# Altium PCB QTouch_test2.PcbDoc
Units mm, origin at the board's own origin, x right, y up, seen from the top; angles counter-clockwise.
Board outline 89.98 x 164.95 mm, 2 copper layers (Top Layer, Bottom Layer), stack 1.635 mm thick; 115 components, 116 nets, 363 pads, 157 vias.
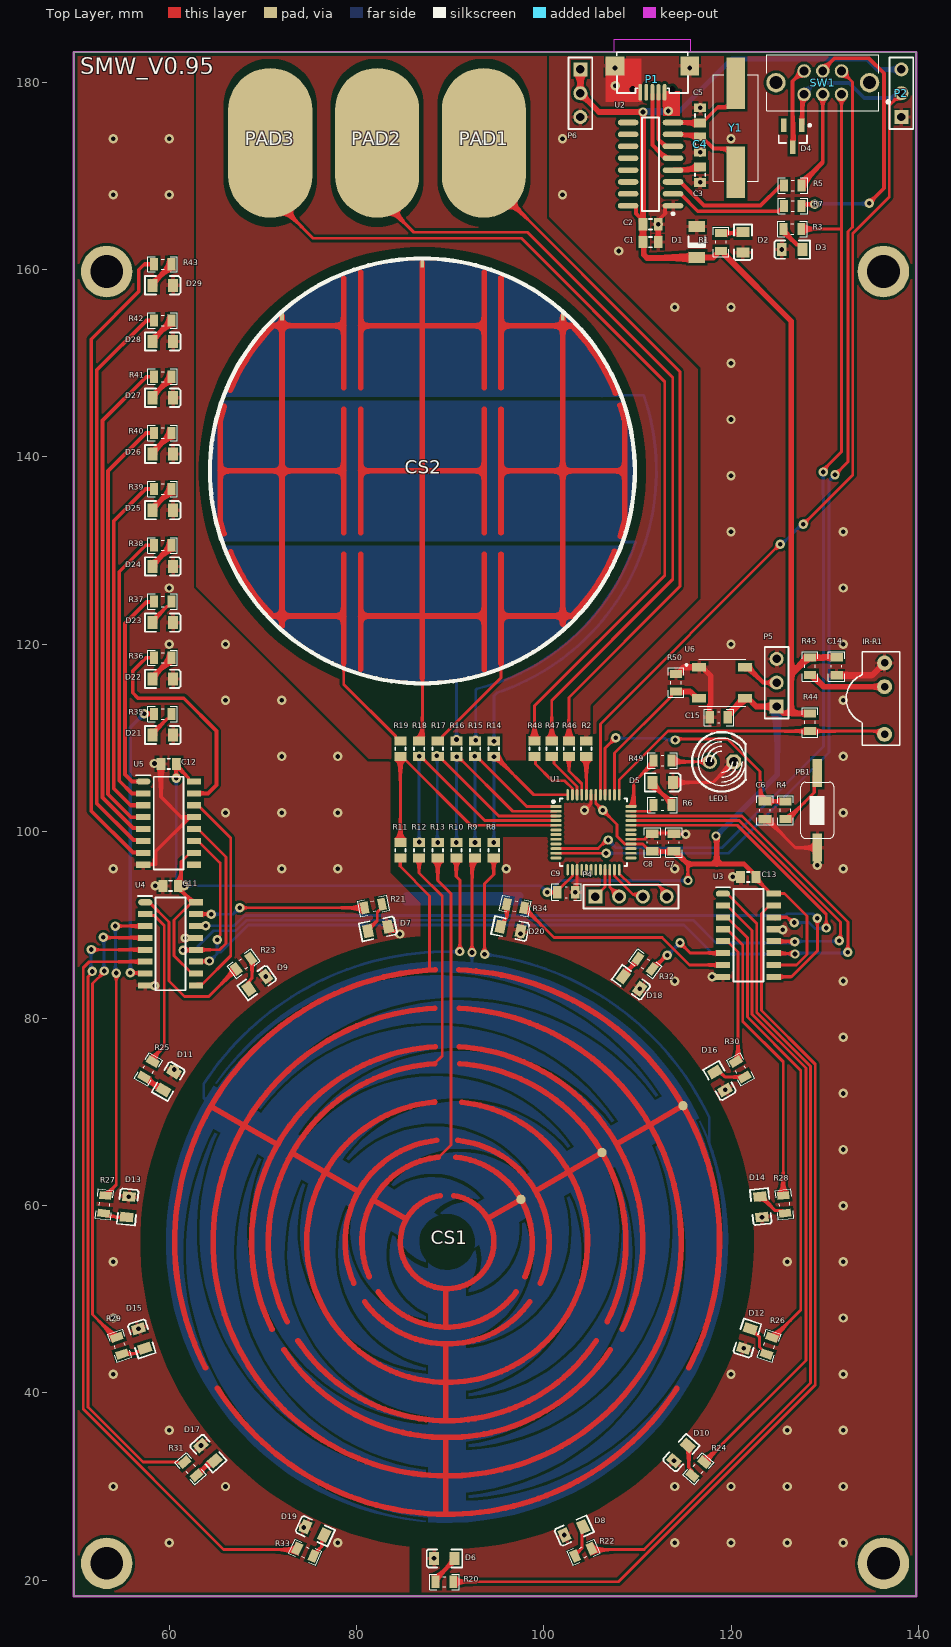
[diagram p0: Top Layer view]
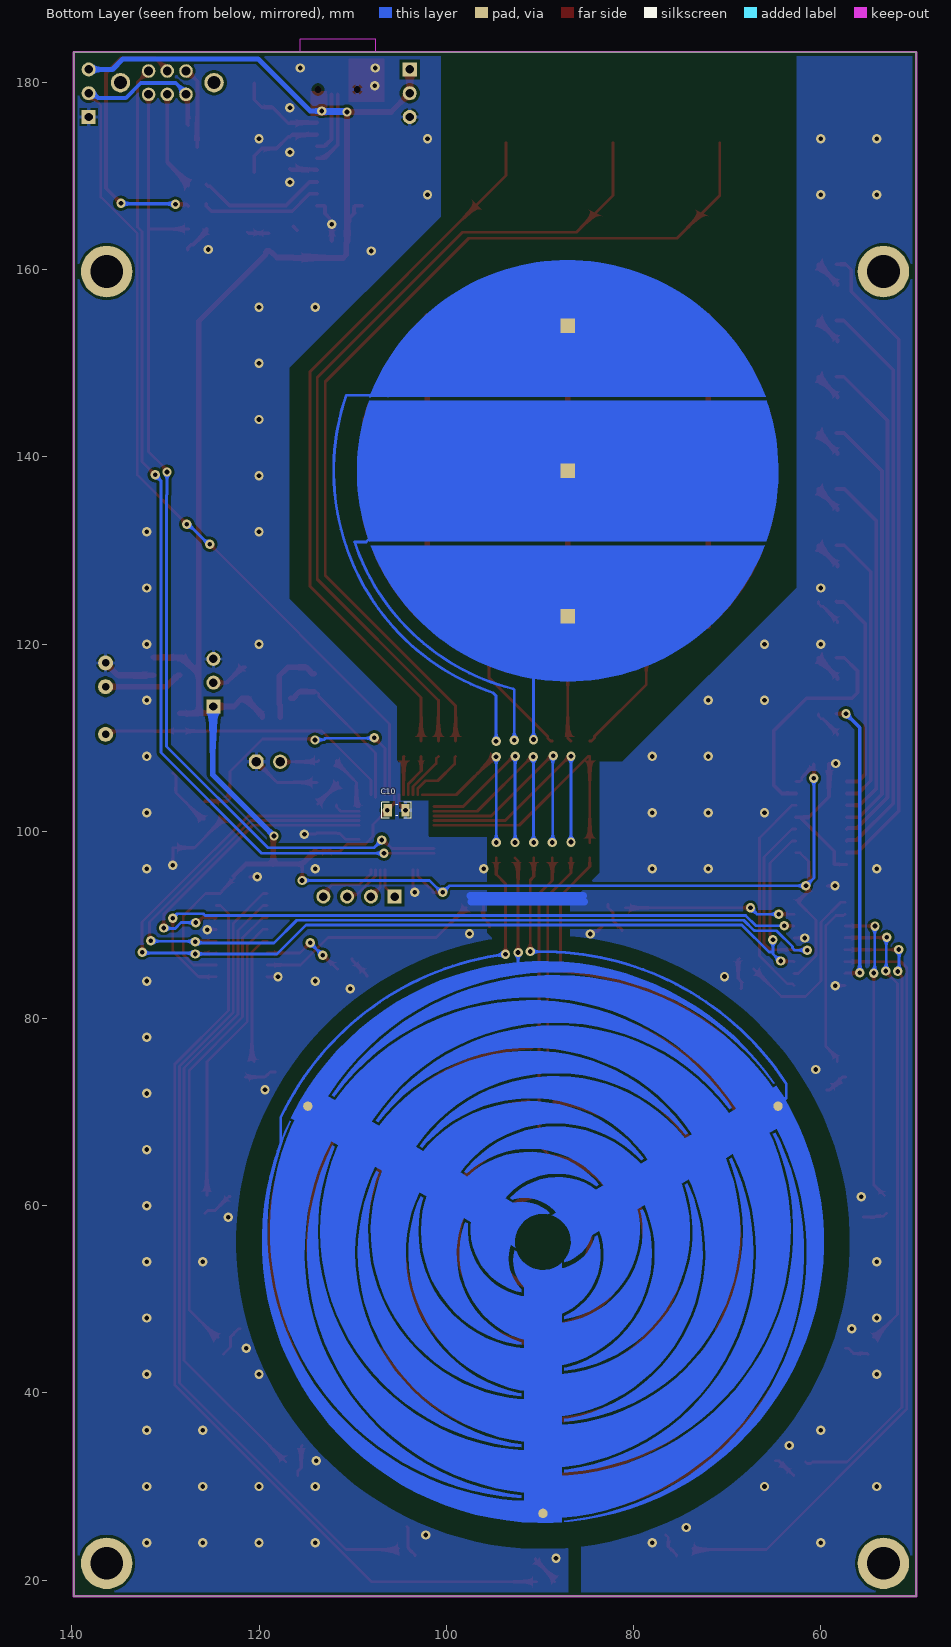
[diagram p1: Bottom Layer view, seen from below]
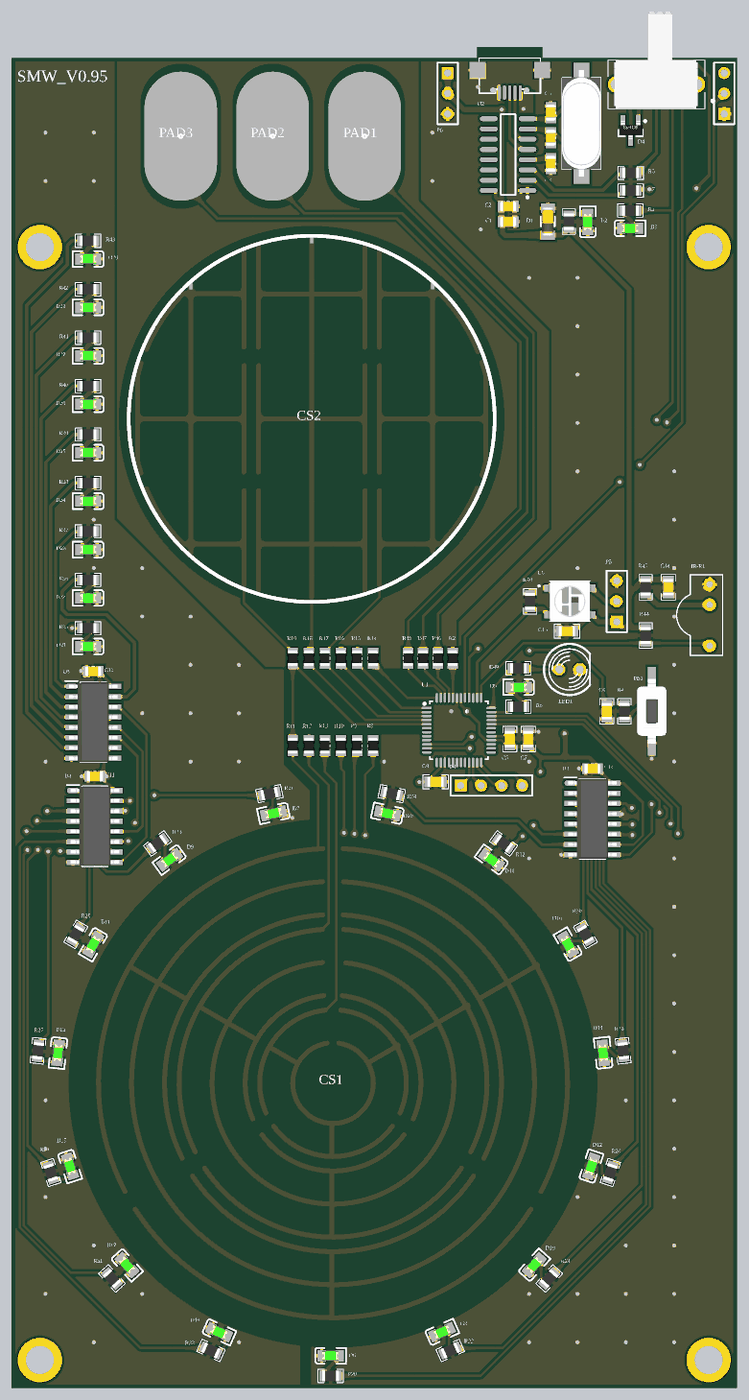
[diagram p2: 3D render of the assembled board from above, using the file's embedded part models]

## Layer stack, top to bottom
Top Solder: solder mask 0.0102, Solder Resist, Dk 3.5
Top Layer: signal copper 0.0175
Dielectric 1: dielectric 1.6, FR-4, Dk 4.8
Bottom Layer: signal copper 0.0175
Bottom Solder: solder mask 0.0102, Solder Resist, Dk 3.5

## Board outline
49.8,18.3 49.8,183.25 139.775,183.25 139.775,18.3

## Design rules (kind name [scope] priority, off if disabled: settings)
Clearance Clearance_1 [InNet('+5') vs (InComponent('p1') AND InNet('USB_D-'))] p1: gap=0.2 ignorepadtopadclearanceinfootprint=FALSE except(0: Arc-Hole Track-Hole SMDPad-Hole THPad-Hole Via-Hole Fill-Hole Poly-Hole Region-Hole Text-Hole)
Clearance clearance_touch [InNetClass('touch_pads')] p2: gap=0.4 ignorepadtopadclearanceinfootprint=FALSE except(0: Arc-Hole Track-Hole SMDPad-Hole THPad-Hole Via-Hole Fill-Hole Poly-Hole Region-Hole Text-Hole; 0.2: Arc-Arc Arc-Track Arc-SMDPad Arc-Text Track-Track Track-SMDPad Track-Text SMDPad-SMDPad SMDPad-THPad SMDPad-Text THPad-Text Via-Text Fill-Text Poly-Text Region-Text Text-Text; 0.3: Arc-THPad Arc-Via Track-THPad Track-Via SMDPad-Via THPad-THPad THPad-Via Via-Via)
Clearance [All] p3: gap=0.3 ignorepadtopadclearanceinfootprint=FALSE except(0: Arc-Hole Track-Hole SMDPad-Hole THPad-Hole Via-Hole Fill-Hole Poly-Hole Region-Hole Text-Hole; 0.2: Arc-Arc Arc-Track Arc-SMDPad Arc-Text Track-Track Track-SMDPad Track-Text SMDPad-SMDPad SMDPad-THPad SMDPad-Text THPad-Text Via-Text Fill-Text Poly-Text Region-Text Text-Text)
PolygonConnect [All] p1: thpad.connectstyle=Relief thpad.reliefconductorwidth=0.4 thpad.reliefentries=4 thpad.polygonreliefangle="90 Angle" thpad.airgapwidth=0.2 smdpad.connectstyle=Relief smdpad.reliefconductorwidth=0.4 smdpad.reliefentries=4 smdpad.polygonreliefangle="90 Angle" smdpad.airgapwidth=0.2 via.connectstyle=Direct via.reliefconductorwidth=0.254 via.reliefentries=4 via.polygonreliefangle="90 Angle" via.airgapwidth=0.254
RoomDefinition micro [InComponentClass('micro')] p1 off: confinementstyle=ConfineIn formatcopy=TRUE lockcomponents=FALSE outline 343.6,178.1 455.6,178.1 455.6,196.6 343.6,196.6
RoomDefinition LEDs [InComponentClass('LEDs')] p2 off: confinementstyle=ConfineIn formatcopy=TRUE lockcomponents=FALSE outline 358.4,205.6 390.277,205.6 390.277,211.95 358.4,211.95
RoomDefinition touch [InComponentClass('touch')] p3 off: confinementstyle=ConfineIn formatcopy=TRUE lockcomponents=FALSE outline 309.8,176.3 342.82,176.3 342.82,211.352 309.8,211.352
RoutingVias [All] p1: holewidth=0.711 width=1.27 viastyle="Through Hole" minholewidth=0.4 minwidth=0.8 maxholewidth=0.8 maxwidth=1.5
SolderMaskExpansion [All] p1: expansion=0.102 istentingtop=FALSE
Width [All] p1: maxlimit=0.8 minlimit=0.2 preferedwidth=0.2
30 further rules are at their usual default settings.

## Classes and differential pairs
component class micro: C1 C2 C3 C4 C5 C6 C7 C8 C9 C10 C14 C15 D1 D2 D3 D4 D5 IR-R1 LED1 p1 P2 P4 P5 P6 PB1 R1 R2 R3 R4 R5 R6 R7 R44 R45 R49 R50 SW1 U1 U2 U6 Y1
component class LEDs: C11 C12 C13 D6 D7 D8 D9 D10 D11 D12 D13 D14 D15 D16 D17 D18 D19 D20 D21 D22 D23 D24 D25 D26 D27 D28 D29 R20 R21 R22 R23 R24 R25 R26 R27 R28 R29 R30 R31 R32 R33 R34 R35 R36 R37 R38 R39 R40 R41 R42 R43 U3 U4 U5
component class touch: CS1 CS2 PAD1 PAD2 PAD3 R8 R9 R10 R11 R12 R13 R14 R15 R16 R17 R18 R19 R46 R47 R48

## Components (designator, comment, footprint, x,y, rotation, side; value= is the part's Value field where it differs from the comment)
C1 "100nF" SMD_CAP_0805 112.225,162.95 r180 top
C2 "22uF" SMD_CAP_0805 112.225,164.85 r180 top
C3 "10nF" SMD_CAP_0805 116.7,169.325 r90 top
C4 "22pF" SMD_CAP_0805 116.7,172.55 r90 top
C5 "22pF" SMD_CAP_0805 116.7,177.3 r270 top
C6 "cap 100nF" CAP0805 123.625,102.25 r90 top value=100nF
C7 "cap 100nF" CAP0805 113.9,98.8 r270 top value=100nF
C8 "cap 100nF" CAP0805 111.6,98.8 r270 top value=100nF
C9 "cap 100nF" CAP0805 102.4,93.5 r180 top value=100nF
C10 "cap 1uF" CAP0805 105.3,102.25 r0 bottom value=1uF
C11 "100nF" SMD_CAP_0805 59.3,94.169 r0 top
C12 "100nF" SMD_CAP_0805 59.1,107.196 r0 top
C13 "100nF" SMD_CAP_0805 121.025,95.123 r0 top
C14 "4.7uF" CAP0805 131.275,117.625 r90 top
C15 "cap 100nF" CAP0805 118.696,112.175 r0 top value=100nF
CS1 "QTouch 2D" wheel 89.671,56.136 r300 top locked
CS2 "QTouch 2D" "2D_touch _wheel" 87.025,138.5 r270 top locked
D1 "Diode Zener" "Diode 1n4148 SMD" 116.325,164.6 r270 top
D2 "LED GREEN" "LED_0805 G" 121.275,162.925 r270 top
D3 "LED RED" "LED_0805 G" 126.525,162.15 r180 top
D4 "BAT54C" SOT-23 126.6,174.25 r180 top
D5 "LED GREEN" "LED_0805 G" 112.7,105.225 r0 top
D6 "LED RED" "LED_0805 G" 89.372,22.327 r180 top
D7 "LED RED" "LED_0805 G" 82.303,89.584 r12 top
D8 "LED RED" "LED_0805 G" 103.201,25.266 r204 top
D9 "LED RED" "LED_0805 G" 69.387,83.834 r36 top
D10 "LED RED" "LED_0805 G" 114.639,33.577 r228 top
D11 "LED RED" "LED_0805 G" 59.927,73.327 r60 top
D12 "LED RED" "LED_0805 G" 121.708,45.82 r252 top
D13 "LED RED" "LED_0805 G" 55.558,59.881 r84 top
D14 "LED RED" "LED_0805 G" 123.186,59.881 r276 top
D15 "LED RED" "LED_0805 G" 57.036,45.82 r108 top
D16 "LED RED" "LED_0805 G" 118.817,73.327 r300 top
D17 "LED RED" "LED_0805 G" 64.105,33.577 r132 top
D18 "LED RED" "LED_0805 G" 109.357,83.834 r324 top
D19 "LED RED" "LED_0805 G" 75.543,25.266 r156 top
D20 "LED RED" "LED_0805 G" 96.441,89.584 r348 top
D21 "LED RED" "LED_0805 G" 59.3,110.277 r0 top
D22 "LED RED" "LED_0805 G" 59.3,116.283 r0 top
D23 "LED RED" "LED_0805 G" 59.3,122.289 r0 top
D24 "LED RED" "LED_0805 G" 59.3,128.295 r0 top
D25 "LED RED" "LED_0805 G" 59.3,134.301 r0 top
D26 "LED RED" "LED_0805 G" 59.3,140.307 r0 top
D27 "LED RED" "LED_0805 G" 59.3,146.313 r0 top
D28 "LED RED" "LED_0805 G" 59.3,152.319 r0 top
D29 "LED RED" "LED_0805 G" 59.3,158.325 r0 top
IR-R1 "hs0038" HS3800B 136.4,114.175 r270 top
LED1 "IR_LED" LED_WHITE 119.013,107.425 r90 top
P1 "USB Connector" USB_AB_BM_SHS 111.6,180.35 r0 top (schematic designator p1)
P2 "Header 3" HDR1X3 138.2,176.31 r90 top
P4 "Header 4" HDR1X4 105.51,93.025 r0 top
P5 "Header 3" HDR1X3 124.875,113.335 r90 top
P6 "Header 3" HDR1X3 103.9,181.39 r270 top
PAD1 "TouschPAD" touchpad7 93.6,173.55 r270 top
PAD2 "TouschPAD" touchpad7 82.187,173.55 r270 top
PAD3 "TouschPAD" touchpad7 70.775,173.55 r270 top
PB1 "Push-Button-tall" tack-sw-3x5x6 129.225,102.25 r90 top
R1 "Res 1K" RES0805 118.925,162.95 r90 top value=1K
R2 "1K" "RES 0805 (2012X06L)" 104.525,108 r90 top
R3 "Res 1K" RES0805 126.55,164.35 r180 top value=1K
R4 "Res 330R" RES0805 125.825,102.25 r270 top value=330R
R5 "Res 1K" RES0805 126.6,169 r180 top value=1K
R6 "Res 1K" RES0805 112.675,102.825 r0 top value=1K
R7 "Res 1K" RES0805 126.6,166.8 r180 top value=1K
R8 "1K" "RES 0805 (2012X06L)" 94.65,97.15 r90 top
R9 "1K" "RES 0805 (2012X06L)" 92.655,97.15 r90 top
R10 "1K" "RES 0805 (2012X06L)" 90.66,97.15 r90 top
R11 "1K" "RES 0805 (2012X06L)" 84.675,97.15 r90 top
R12 "1K" "RES 0805 (2012X06L)" 86.67,97.15 r90 top
R13 "1K" "RES 0805 (2012X06L)" 88.665,97.15 r90 top
R14 "1K" "RES 0805 (2012X06L)" 94.65,109.65 r270 top
R15 "1K" "RES 0805 (2012X06L)" 92.655,109.65 r270 top
R16 "1K" "RES 0805 (2012X06L)" 90.66,109.65 r270 top
R17 "1K" "RES 0805 (2012X06L)" 88.665,109.65 r270 top
R18 "1K" "RES 0805 (2012X06L)" 86.67,109.65 r270 top
R19 "1K" "RES 0805 (2012X06L)" 84.675,109.65 r270 top
R20 "470R" RES0805 89.372,19.827 r0 top
R21 "470R" RES0805 81.783,92.029 r192 top
R22 "470R" RES0805 104.218,22.983 r24 top
R23 "470R" RES0805 67.918,85.856 r216 top
R24 "470R" RES0805 116.497,31.904 r48 top
R25 "470R" RES0805 57.762,74.577 r60 top
R26 "470R" RES0805 124.086,45.048 r72 top
R27 "470R" RES0805 53.072,60.142 r84 top
R28 "470R" RES0805 125.672,60.142 r96 top
R29 "470R" RES0805 54.659,45.048 r108 top
R30 "470R" RES0805 120.982,74.577 r120 top
R31 "470R" RES0805 62.247,31.904 r132 top
R32 "470R" RES0805 110.826,85.856 r324 top
R33 "470R" RES0805 74.526,22.983 r156 top
R34 "470R" RES0805 96.961,92.029 r348 top
R35 "470R" RES0805 59.285,112.533 r180 top
R36 "470R" RES0805 59.285,118.539 r180 top
R37 "470R" RES0805 59.285,124.545 r180 top
R38 "470R" RES0805 59.285,130.551 r180 top
R39 "470R" RES0805 59.285,136.557 r180 top
R40 "470R" RES0805 59.285,142.563 r180 top
R41 "470R" RES0805 59.285,148.569 r180 top
R42 "470R" RES0805 59.285,154.575 r180 top
R43 "470R" RES0805 59.285,160.581 r180 top
R44 "10K" RES0805 128.45,111.65 r270 top
R45 "100" RES0805 128.45,117.625 r270 top
R46 "1K" "RES 0805 (2012X06L)" 102.683,109.65 r270 top
R47 "1K" "RES 0805 (2012X06L)" 100.842,109.65 r270 top
R48 "1K" "RES 0805 (2012X06L)" 99,109.65 r270 top
R49 "1K" RES0805 112.675,107.575 r180 top
R50 "Res 10K" RES0805 114.125,115.875 r90 top value=10K
SW1 "Double Switch" switch_2way_DPDT_right 129.8,179.975 r180 top
U1 "AVR32DA48" TQPF48 105.3,99.9 r0 top locked
U2 "CH340G" SOIC16_N 111.4,171.275 r180 top
U3 "74HC595D" SOIC127P600X175-16N 121.925,89.125 r0 top
U4 "74HC595D" SOIC127P600X175-16N 60.2,88.2 r0 top
U5 "74HC595D" SOIC127P600X175-16N 60,101.1 r0 top
U6 "WS2812-2020" LED_WS2812B-5050 119.05,115.875 r0 top
Y1 "12MHz" XTAL_SMD 120.5,175.15 r90 top

## Footprints (in the part's own frame and the unit in brackets; to place one, negate y for a bottom-side part, rotate by r counter-clockwise, add the part's x,y. Pads: shape width x height; smd on the part's side, far side on the other; paste and mask are expansions set on the pad)
"2D_touch _wheel" [mm]
  rect 1.55x1.55 smd far side mask+0.102: 1(-15.5,0) 2(0,0) 3(15.5,0)
  rect 1x0.4 smd mask+0.102: 4(-16.575,15) 5(-22.25,0) 6(-16.55,-15)
  Top Layer lines w0.6: -5.16,-21.643 cw(c0,0) -6.879,-21.16 ; 5.156,-21.626 ccw(c-0.075,0) 6.711,-21.19 ; 5.15,-21.6 -5.15,-21.6 ; 0,-21.6 0,-8.4 ; -8.629,-20.509 cw(c0,0) -15.53,-15.934 -15.5,-8.4 ; 8.651,-20.49 ccw(c1.053,-1.604) 15.089,-16.348 15.5,-15.957 15.5,-8.4 ; 16.575,-15 -16.55,-15 ; 20.525,-8.4 20.05,-8.4 15.5,-8.4 ; 8.9,-8.4 15.5,-8.4 ; 6.6,-8.4 -6.6,-8.4 ; -8.9,-8.4 -20.575,-8.4 ; 21.175,-6.6 8.9,-6.6 ; 15.5,-6.6 15.5,6.6 ; 6.6,-6.6 -6.6,-6.6 ; 0,-6.6 0,6.6 ; -8.9,-6.6 -21.225,-6.6 ; -15.5,-6.6 -15.5,6.6 ; 22.1,0 20.85,0 15.5,0 0,0 -15.5,0 -22.25,0 ; 21.225,6.6 8.9,6.6 ; 6.6,6.6 -6.6,6.6 ; -8.9,6.6 -21.225,6.6 ; 20.55,8.4 19.525,8.4 15.5,8.4 ; 8.9,8.4 15.5,8.4 ; 6.6,8.4 -6.6,8.4 ; 0,8.4 0,21.6 ; -8.9,8.4 -20.625,8.4 ; -15.5,8.4 -15.5,15.9 ; 16.375,15 -16.575,15 ; -15.531,15.932 cw(c0,0) -8.315,20.638 ; 15.5,15.975 15.5,8.4 ; 15.476,15.987 ccw(c0,0) 8.595,20.523 ; -7.006,21.118 cw(c0,0) -5.561,21.544 ; 6.988,21.124 ccw(c0,0) 5.259,21.619 ; 5.225,21.6 -5.561,21.6
  Bottom Layer region: 7.95,-21.05 8,21.025 8.002,21.029 16.859,14.901 21.853,5.358 21.839,-5.412 16.822,-14.942 7.95,-21.049
  Bottom Layer region: -7.55,-21.195 -0.025,-22.5 7.503,-21.212 7.503,-21.212 7.5,-21.205 7.55,21.195 0.025,22.5 -7.503,21.212 -7.503,21.212 -7.5,21.2
  Bottom Layer region: -7.9,-21.15 -7.85,21.025 -7.85,21.175 -16.791,15.042 -21.85,5.451 -21.863,-5.392 -16.827,-14.995 -7.9,-21.15
  silkscreen extent -22.7,-22.7 22.7,22.7
CAP0805 [mm] "Chip Capacitor, 2-Leads, Body 2/00x1/25mm, IPC Medium Density DESIGNER:ABBAS BASEREH"
  rect 0.9x1.35 smd: 1(-0.95,0) 2(0.95,0)
  silkscreen extent -1.58,-0.87 1.58,0.87, body extent -1.02,-0.65 1.02,0.65, height 0.5
"Diode 1n4148 SMD" [mm] "Mini MELF SOD-80"
  rect 1.2x1.75 smd: 1(0,0) 2(3.3,0)
  silkscreen extent 1.04,-0.88 2.22,0.87, body extent -0.13,-0.75 3.37,0.75, height 1.55
HDR1X3 [mm] "Connector; Header; 3 Position"
  rect 1.5x1.5 hole 0.9: 1(0,0)
  round 1.5 hole 0.9: 2(2.54,0) 3(5.08,0)
  silkscreen extent -1.27,-1.27 6.35,1.27
HDR1X4 [mm] "Connector; Header; 4 Position"
  rect 1.5x1.5 hole 0.9: 1(0,0)
  round 1.5 hole 0.9: 2(2.54,0) 3(5.08,0) 4(7.62,0)
  silkscreen extent -1.27,-1.27 8.89,1.27
HS3800B [mm]
  round 1.6 hole 0.8: 1(-3.81,0) 2(-1.27,0) 3(3.81,0)
  silkscreen extent -5,-4.1 5,1.6
"LED_0805 G" [mm]
  rect 1.05x1.4 smd: 1(-1.1,0) 2(1.1,0)
  silkscreen extent -1.91,-0.97 1.89,0.98, body extent -1,-0.62 1.02,0.63, height 1.1
LED_WHITE [mil]
  round 60 hole 39.37: A(0,50)
  oct 60x60 hole 39.37: K(0,-50)
  silkscreen extent -125,-100 125,125, body extent -116,-98 116,116, height 339
LED_WS2812B-5050 [mm]
  rect 1.5x0.9 smd: 1(2.45,1.65) 2(-2.45,1.65) 3(-2.45,-1.65) 4(2.45,-1.65)
  silkscreen extent -3.91,-2.5 2.5,2.5, body extent -2.67,-2.47 2.68,2.47, height 1.68
RES0805 [mm] "Chip Resistor, 2-Leads, Body 2/00x1/25mm, IPC Medium Density DESIGNER:ABBAS BASEREH"
  rect 0.85x1.3 smd: 1(-0.95,0) 2(0.95,0)
  silkscreen extent -1.58,-0.82 1.58,0.82, body extent -1.02,-0.65 1.02,0.65, height 0.5
"RES 0805 (2012X06L)" [mm] "Chip Resistor, 2-Leads, Body 2.0x1.3mm, IPC High Density _ (0.100 W)"
  rect 0.95x1.3 smd: 1(0,0) 2(1.65,0)
  silkscreen extent 0.67,-0.55 0.97,0.55, body extent -0.19,-0.63 1.84,0.64, height 0.6
SMD_CAP_0805 [mm]
  rect 0.95x1.3 smd: 1(0,0) 2(1.65,0)
  silkscreen extent 0.67,-0.55 0.97,0.55, body extent -0.19,-0.63 1.84,0.63, height 0.65
SOIC16_N [mm] "SOIC, 16-Leads, Body 9.9x3.9mm, Pitch 1.27mm, IPC Medium Density"
  oval 2.2x0.6 smd: 1(-2.4,4.445) 2(-2.4,3.175) 3(-2.4,1.905) 4(-2.4,0.635) 5(-2.4,-0.635) 6(-2.4,-1.905) 7(-2.4,-3.175) 8(-2.4,-4.445) 9(2.4,-4.445) 10(2.4,-3.175) 11(2.4,-1.905) 12(2.4,-0.635) 13(2.4,0.635) 14(2.4,1.905) 15(2.4,3.175) 16(2.4,4.445)
  silkscreen extent -2.53,-5 0.9,5.42, body extent -2,-5 2,5, height 1.91
SOIC127P600X175-16N [mm]
  oval 1.525x0.65 smd: 1(-2.787,4.22)
  rect 1.525x0.65 smd: 2(-2.787,2.95) 3(-2.787,1.68) 4(-2.787,0.41) 5(-2.787,-0.86) 6(-2.787,-2.13) 7(-2.787,-3.4) 8(-2.787,-4.67) 9(2.637,-4.67) 10(2.637,-3.4) 11(2.637,-2.13) 12(2.637,-0.86) 13(2.637,0.41) 14(2.637,1.68) 15(2.637,2.95) 16(2.637,4.22)
  silkscreen extent -3.55,-5.18 1.53,4.89, body extent -3.09,-5.17 2.94,4.73, height 1.75
SOT-23 [mm]
  rect 0.6x1.45 smd: 1(-0.95,-1.175) 2(0.95,-1.175) 3(0,1.175)
  silkscreen extent -1.92,-1.3 1.5,0.7, body extent -1.45,-1.23 1.45,1.07, height 1
switch_2way_DPDT_right [mm]
  round 1.447 hole 0.93: 1(-2,1.25) 2(0,1.25) 3(2,1.25) 4(2,-1.25) 5(0,-1.25) 6(-2,-1.25)
  round 2.07 hole 1.38: MH1(-5,0) MH2(5,0)
  silkscreen extent -7.05,-3 6,3, body extent -5.09,-9.05 5.21,2.95, height 5.07
tack-sw-3x5x6 [mm]
  rect 3x1 smd mask+0.05: 1(-4,0) 2(4,0)
  silkscreen extent -3,-1.78 3,1.78, body extent -4,-1.75 4,1.75, height 4.3
touchpad7 [mm]
  oval 16x9 smd mask+0.102: 1(0,0)
  Top Layer pour cut-out: -4,5 4,5 6.169,4.505 7.909,3.117 8.875,1.113 8.875,-1.113 7.909,-3.117 6.169,-4.505 4,-5 4,-5 -4,-5 -6.169,-4.505 -7.909,-3.117 -8.875,-1.113 -8.875,1.113 -7.909,3.117 -6.169,4.505 -4,5
  Bottom Layer pour cut-out: -4,5 4,5 6.5,4.33 8.33,2.5 9,0 8.33,-2.5 6.5,-4.33 4,-5 4,-5 -4,-5 -6.169,-4.505 -7.909,-3.117 -8.875,-1.113 -8.875,1.113 -7.909,3.117 -6.169,4.505 -4,5
  silkscreen extent -0.2,-0.2 0.2,0.2
TQPF48 [mm] "QFN, 48-Leads, Body 7x7mm, Pitch 0.5mm, IPC Low Density"
  rect 1.2x0.3 smd mask+0.05: 1(-4,2.75)
  oval 1.2x0.3 smd mask+0.05: 2(-4,2.25) 3(-4,1.75) 4(-4,1.25) 5(-4,0.75) 6(-4,0.25) 7(-4,-0.25) 8(-4,-0.75) 9(-4,-1.25) 10(-4,-1.75) 11(-4,-2.25) 12(-4,-2.75) 25(4,-2.75) 26(4,-2.25) 27(4,-1.75) 28(4,-1.25) 29(4,-0.75) 30(4,-0.25) 31(4,0.25) 32(4,0.75) 33(4,1.25) 34(4,1.75) 35(4,2.25) 36(4,2.75)
  oval 0.3x1.2 smd mask+0.05: 13(-2.75,-4) 14(-2.25,-4) 15(-1.75,-4) 16(-1.25,-4) 17(-0.75,-4) 18(-0.25,-4) 19(0.25,-4) 20(0.75,-4) 21(1.25,-4) 22(1.75,-4) 23(2.25,-4) 24(2.75,-4) 37(2.75,4) 38(2.25,4) 39(1.75,4) 40(1.25,4) 41(0.75,4) 42(0.25,4) 43(-0.25,4) 44(-0.75,4) 45(-1.25,4) 46(-1.75,4) 47(-2.25,4) 48(-2.75,4)
  silkscreen extent -4.4,-3.6 3.6,3.6, body extent -3.57,-3.57 3.57,3.57, height 0.9
USB_AB_BM_SHS [mm] "USB Micro AB - Standard (Bottom mount), Shell SMT DESIGNER ABBAS BASEREH"
  oval 0.4x1.8 smd: 1(1.3,-1.4) 2(0.65,-1.4) 3(0,-1.4) 4(-0.65,-1.4) 5(-1.3,-1.4)
  rect 2x2 smd: 5(-4,1.4) 5(4,1.4)
  round 0 hole 0.7: H(-2.1,-1.1) H(2.1,-1.1)
  Keep-Out Layer board cut-out: -4.064,2.9 -4.064,4.291 4.064,4.291 4.064,2.9
  silkscreen extent -3.8,-1.47 3.8,2.9, body extent -4,-1.78 4,4.26, height 2.75
wheel [mm]
  round 1 smd far side paste-0.5 mask+0.102: 1(25.115,-14.5) 2(0,29) 3(-25.115,-14.5)
  round 1 smd paste-0.5 mask+0.102: 4(0,29.1) 5(0,19.1) 6(0,9.1)
  Top Layer lines w0.5: -0.1,9.15 0.05,9.15
  Top Layer lines w0.6: -1.269,-29.072 cw(c0,0) -25.812,13.437 ; -25.162,-14.616 -21.612,-12.566 ; 1.269,-29.072 ccw(c0,0) 25.133,-14.667 ; -1.276,-20.861 cw(c0,0) -18.062,-10.516 ; -18.061,-10.516 -18.062,-10.516 ; 1.276,-20.861 ccw(c0,0) 18.704,9.326 ; -1.166,-19.064 cw(c0,0) -17.167,8.373 ; -16.502,-9.616 -9.401,-5.516 ; 1.166,-19.064 ccw(c0,0) 17.093,8.522 ; -1.139,-10.84 cw(c0,0) -9.958,4.433 ; 1.139,-10.84 ccw(c0,0) 9.958,4.433 ; -0.951,-9.05 cw(c0,0) -8.459,3.356 cw(c0,0) -8.313,3.701 ; -7.842,-4.616 -4.291,-2.566 ; 0.951,-9.05 ccw(c0,0) 8.313,3.701 ; -22.275,11.35 ccw(c0,0) -21.612,-12.566 ; -13.595,6.339 ccw(c0,0) -12.135,8.817 ; -18.704,9.326 ccw(c0,0) -18.062,-10.516 ; -4.648,1.844 ccw(c0,0) -3.926,3.096 ; 25.135,-14.669 25.133,-14.667 ; 18.034,-10.569 21.582,-12.617 ; 16.475,-9.669 9.374,-5.569 ; 7.815,-4.669 4.264,-2.619 ; -7.362,5.349 cw(c0,0) 7.362,5.349 ; -8.818,6.407 cw(c0,0) 8.818,6.407 ; -24.543,15.635 cw(c0,0) 0,29.1 ; -17.428,11.535 cw(c0,0) 0,20.9 ; -20.967,13.616 cw(c0,0) 0,25 ; -15.835,10.681 cw(c0,0) 15.927,10.542 ; 0,5 0,9.1 ; -20.577,20.577 cw(c0,0) 0,29.1 ; 0,10.9 0,19.1 ; 17.428,11.535 ccw(c0,0) 0,20.9 ; 25.812,13.437 cw(c0,0) 25.133,-14.667 ; 24.543,15.635 ccw(c0,0) 0,29.1 ; 20.577,20.577 ccw(c0,0) 0,29.1 ; -21.612,-12.566 ccw(c0,0) 21.582,-12.617 ; -21.612,-12.566 -18.062,-10.516 ; 25.133,-14.667 21.582,-12.617 ; 21.582,-12.617 ccw(c0,0) 0,25 ; 0,20.9 0,25 ; 0,25 0,29.1 ; 0,29.1 0,29.1
  Bottom Layer region: 581 vertices and 0 holes, not listed, extent -29.152,-30.012 24.756,27.363
  Bottom Layer region: 583 vertices and 0 holes, not listed, extent -30.012,-12.968 27.88,30.012
  Bottom Layer region: 583 vertices and 0 holes, not listed, extent -22.539,-28.517 30.012,29.913
XTAL_SMD [mm]
  rect 5.5x2 smd: 1(-4.75,0) 2(4.75,0)
  silkscreen extent -5.7,-2.4 5.7,2.4, body extent -6.6,-2.39 6.6,2.41, height 4.3
